# Altium PCB ECU_AutoRC_r00.PcbDoc (part 2 of 2) (continued)
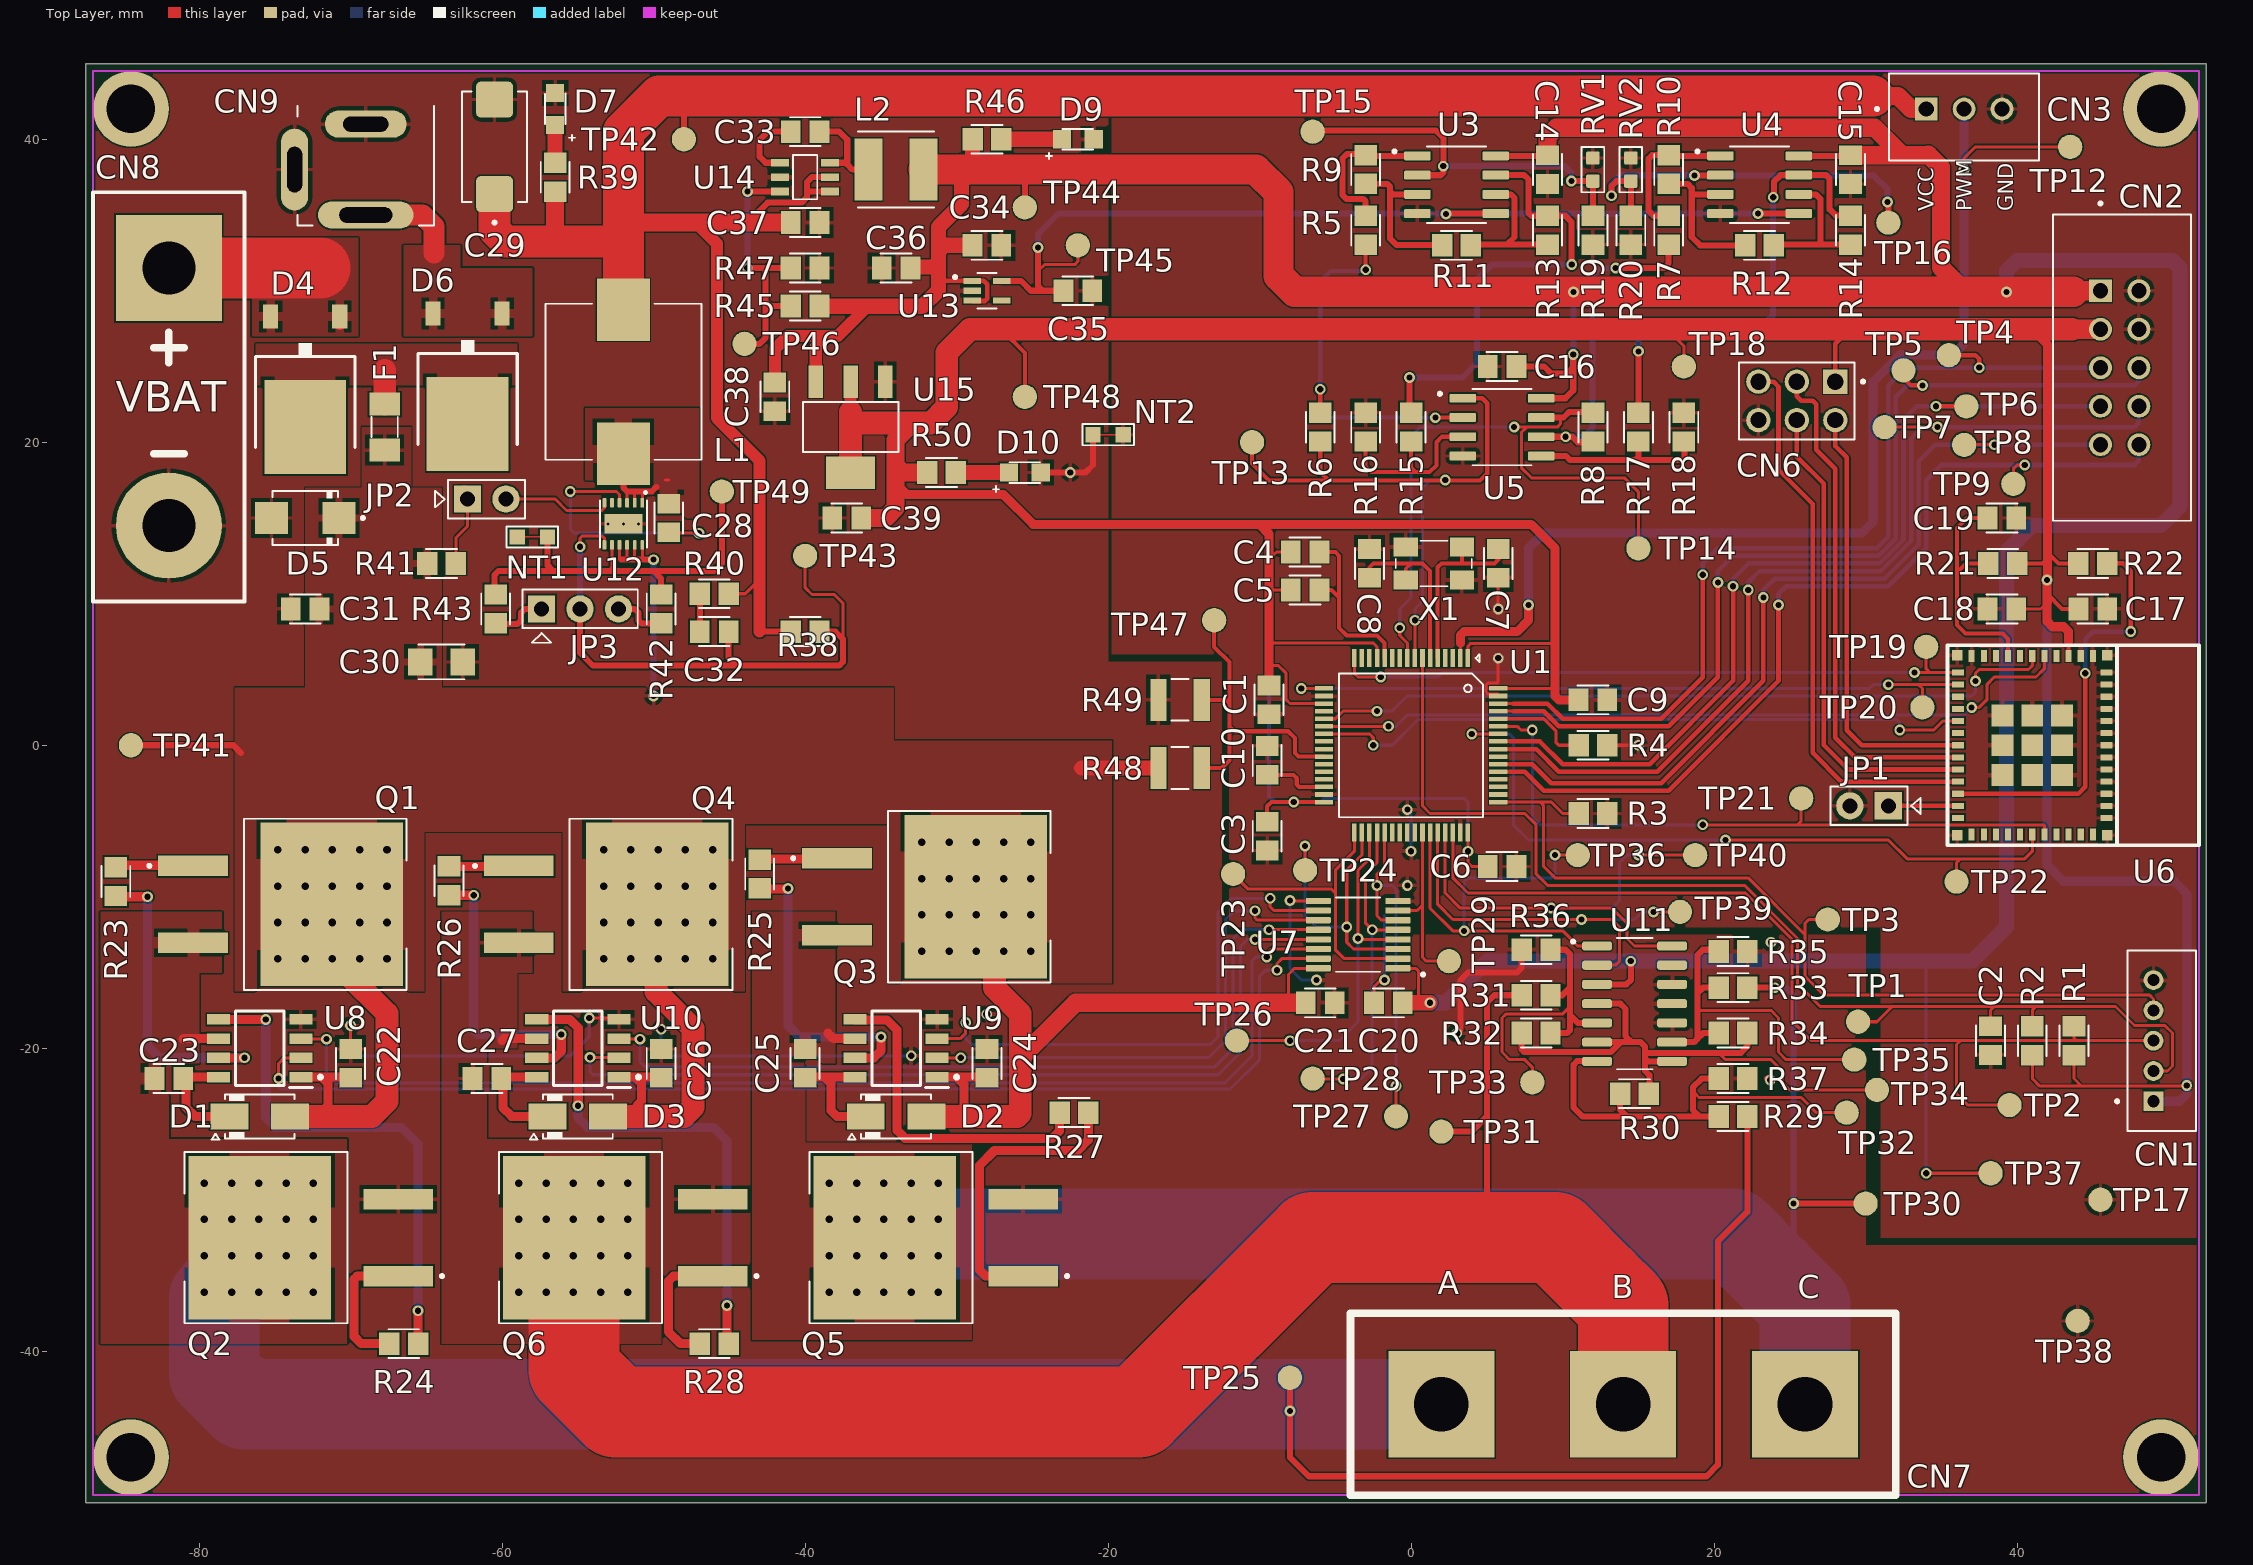
[diagram p0: Top Layer view]
## Nets (pads, with @x,y where several pads share a name; then routed paths per layer and width w, separated by ;. In a path a pad name is that pad's centre, name@x,y a point inside that pad or via, vN(x,y) a via of type N, cw(c..) or ccw(c..) an arc to the next point about the centre after c; other vN are vias at no path point) (continued)
NetR7_1: R7.1 R10.1 U4.1 | length 9.8
  Top Layer w0.4: R7.1@17,34.95 16,34.95 15.675,35.275 15.675,38.725 15.9,38.95 R10.1@17,38.95 17.045,38.905 U4.1@20.415,38.905
NetR7_2: R7.2 R8.1 U5.6 | length 22.3
  Top Layer w0.4: U5.6@8.585,20.365 v1(10.2,20.365) 10.635,20.365 11,20 11.9,20 11.975,20.075 R8.1@12,20.05 ; v1(13.5,31.5) 16.7,31.5 17,31.8 R7.2@17,33.05
  Bottom Layer w0.4: v1(10.2,20.365) 11.39,20.365 11.975,20.95 11.975,30.975 12.5,31.5 v1(13.5,31.5)
NetR8_2: R8.2 TP14.1 U1.9 U5.7 | length 44.3
  Top Layer w0.2: v1(-0.75,7.75) -0.75,7.25 -0.25,6.75 U1.9@-0.25,5.75 ; v1(6.8,21) 7.625,21 ; 9.825,21.635 9.85,21.61 9.85,21.2 9.65,21 7.625,21 ; TP14.1@15,13 15,16.725 14.075,17.65 7.95,17.65 7.275,18.325 7.275,20.65 7.625,21
  Top Layer w0.4: U5.7@8.585,21.635 9.825,21.635 10.06,21.635 10.425,22 11.95,22 R8.2@12,21.95
  Bottom Layer w0.2: v1(-0.75,7.75) -0.75,9 0,9.75 0,20.4 0.6,21 v1(6.8,21)
NetR9_1: R9.1 R11.2 U3.3 | length 10.6
  Top Layer w0.4: R9.1@-3,37.05 -1.57,37.05 -1.39,36.87 -1.39,36.54 ; U3.3@0.415,36.365 -1.215,36.365 -1.39,36.54 ; R11.2@2.05,33 2.025,33.025 -0.975,33.025 -1.39,33.44 -1.39,36.54
NetR10_2: R10.2 R12.1 U4.3 | length 10.6
  Top Layer w0.4: R10.2@17,37.05 18.25,37.05 18.525,36.775 18.525,36.5 ; U4.3@20.415,36.365 18.66,36.365 18.525,36.5 ; R12.1@22.05,33 19.075,33 18.525,33.55 18.525,36.5
NetR11_1: R11.1 R13.2 U3.6 | length 9.7
  Top Layer w0.4: R11.1@3.95,33 4,33.05 6.325,33.05 ; U3.6@5.585,36.365 6.585,36.365 6.825,36.125 6.825,33.55 6.325,33.05 ; R13.2@9,33.05 6.325,33.05
NetR12_2: R12.2 R14.1 U4.6 | length 9.7
  Top Layer w0.4: R12.2@23.95,33 24,33.05 27,33.05 ; U4.6@25.585,36.365 26.71,36.365 27.025,36.05 27.025,33.075 27,33.05 ; R14.1@29,33.05 27,33.05
NetR13_1: R13.1 R15.2 U3.7 | length 29.8
  Top Layer w0.4: v1(-0.1,24.275) -0.1,22.05 R15.2@0,21.95 ; U3.7@5.585,37.635 7.465,37.635 7.75,37.35 7.75,35.125 7.95,34.925 7.975,34.95 R13.1@9,34.95 10.175,34.95 10.575,34.55 10.575,31.75 v1(10.6,31.725)
  Bottom Layer w0.4: v1(-0.1,24.275) 3.375,24.275 4.35,25.25 4.35,30.75 5.325,31.725 v1(10.6,31.725)
NetR14_2: R14.2 R17.1 U4.7 | length 31.1
  Top Layer w0.4: R17.1@15,21.95 15.025,21.975 15,22 v1(15,26) ; v1(23.9,36.175) 23.95,36.225 23.95,37.2 24.385,37.635 U4.7@25.585,37.635 27.39,37.635 27.625,37.4 27.625,35.375 28.025,34.975 28.975,34.975 R14.2@29,34.95 R14.2@28.975,34.925
  Bottom Layer w0.4: v1(15,26) 15,27.25 15.725,27.975 23.475,27.975 23.9,28.4 v1(23.9,36.175)
NetR15_1: R15.1 R16.2 U5.3 | length 12.2
  Top Layer w0.27: R16.2@-3,20.05 -3,18.4 -2.625,18.025 0.3,18.025 ; R15.1@0,20.05 0,18.325 0.3,18.025 ; U5.3@3.415,20.365 2.04,20.365 1.675,20 1.675,18.475 1.225,18.025 0.3,18.025
NetR17_2: R17.2 R18.1 U5.5 | length 12
  Top Layer w0.4: U5.5@8.585,19.095 10.23,19.095 10.5,18.825 14.8,18.825 ; R17.2@15,20.05 15,19.025 14.8,18.825 ; R18.1@18,20.05 18.05,20 18.05,19.025 17.85,18.825 14.8,18.825
NetR22_2: R22.2 U6.22 | length 27.3
  Top Layer w0.3: U6.22@36.1,-3.2 44.05,-3.2 44.5,-2.75 v1(44.5,4.75) ; R22.2@45.95,12 47,12 47.5,11.5 v1(47.5,7.5)
  Bottom Layer w0.3: v1(44.5,4.75) 44.5,7 45,7.5 v1(47.5,7.5)
NetR23_1: R23.1 U8.7 | length 20.4
  Top Layer w0.6: R23.1@-85.5,-9.95 -85.45,-10 v1(-83.4,-10) ; U8.7@-78.712,-20.635 -77.01,-20.635 v1(-77,-20.625)
  Bottom Layer w0.6: v1(-83.4,-10) -83.4,-19.825 -82.6,-20.625 v1(-77,-20.625)
NetR24_1: R24.1 U8.5 | length 33.7
  Top Layer w0.6: U8.5@-78.712,-18.095 -75.605,-18.095 v1(-75.6,-18.1) ; v1(-65.55,-37.325) R24.1@-65.55,-39.5 R24.1@-65.425,-39.375
  Bottom Layer w0.6: v1(-75.6,-18.1) -75.6,-24.575 -74.95,-25.225 -66.65,-25.225 -65.55,-26.325 v1(-65.55,-37.325)
NetR25_1: R25.1 U9.7 | length 20.3
  Top Layer w0.6: R25.1@-43,-9.45 -43,-9.5 -41.175,-9.5 v1(-41.125,-9.45) ; U9.7@-36.712,-20.635 -35.458,-20.635 -34.991,-20.168 -35,-20.159 v1(-35,-19.25)
  Bottom Layer w0.6: v1(-41.125,-9.45) -41.125,-18.5 -40.375,-19.25 v1(-35,-19.25)
NetR26_1: R26.1 U10.7 | length 19.4
  Top Layer w0.6: R26.1@-63.86,-9.9 R26.1@-63.81,-9.95 ; R26.1@-63.5,-9.9 v1(-61.875,-9.9) ; U10.7@-57.712,-20.635 -56.535,-20.635 -56.1,-20.2 v1(-56.1,-19.1)
  Bottom Layer w0.6: v1(-61.875,-9.9) -61.9,-9.925 -61.9,-18.8 -61.6,-19.1 v1(-56.1,-19.1)
NetR27_1: R27.1 U9.5 | length 22.1
  Top Layer w0.6: U9.5@-36.712,-18.095 -36.682,-18.125 -34.6,-18.125 -33.925,-18.8 -33.925,-25.425 -33.4,-25.95 -23.7,-25.95 -23.2,-25.45 R27.1@-23.2,-24.25
NetR28_1: R28.1 U10.5 | length 32.8
  Top Layer w0.6: U10.5@-57.712,-18.095 -57.707,-18.1 -55.525,-18.1 -54.975,-18.65 -54.975,-23.775 v1(-55,-23.8) ; v1(-45.15,-36.975) -45.15,-39.4 R28.1@-45.05,-39.5 R28.1@-45.025,-39.475
  Bottom Layer w0.6: v1(-55,-23.8) -55,-24.575 -54.35,-25.225 -46.05,-25.225 -45.15,-26.125 v1(-45.15,-36.975)
NetR45_1: R45.1 R47.1 TP46.1 U14.3 | length 18.1
  Top Layer w0.4: TP46.1@-44,26.5 -43,26.5 -42.625,26.875 -42.625,29.325 ; v1(-43.825,31.5) -42.675,31.5 ; v1(-43.8,36.55) U14.3@-41.65,36.55 ; R45.1@-40.95,29 -42.3,29 -42.625,29.325 ; R47.1@-40.95,31.5 -42.675,31.5 ; -42.675,31.5 -42.625,31.45 -42.625,29.325
  Bottom Layer w0.4: v1(-43.825,31.5) -43.8,31.525 v1(-43.8,36.55)
NetR48_2: R48.2 R49.1 TP47.1 U1.26 | length 21.3
  Top Layer w0.27: R48.2@-13.82,-1.5 -12.5,-1.5 -12,-1 -12,1.25 ; R49.1@-13.82,3 -12.25,3 -12,2.75 ; TP47.1@-13,8.25 -13,6.5 -12,5.5 -12,2.75 ; U1.26@-5.75,-0.75 -7.425,-0.75 -7.675,-0.5 -7.675,0.475 -8.125,0.925 -11.675,0.925 -12,1.25 ; -12,1.25 -12,2.75
NetTP23_1: TP23.1 U1.33 U7.2 | length 19.9
  Top Layer w0.2: TP23.1@-11.75,-8.5 -10.75,-9.5 -5.25,-9.5 -5,-9.75 ; U1.33@-3.75,-5.75 -3.75,-7 -5,-8.25 -5,-9.75 ; U7.2@-0.87,-14.088 -4.413,-14.088 -5,-13.5 -5,-9.75
NetTP24_1: TP24.1 U1.34 U7.3 | length 20.5
  Top Layer w0.2: TP24.1@-7,-8.25 v1(-7,-6.65) ; U1.34@-3.25,-5.75 -3.25,-7.25 -4.25,-8.25 v1(-4.25,-12) -4.25,-13 -3.797,-13.453 U7.3@-0.87,-13.453
  Bottom Layer w0.2: v1(-7,-6.65) -7,-11.25 -6.25,-12 v1(-4.25,-12)
NetTP26_1: TP26.1 U1.35 U7.4 | length 24
  Top Layer w0.2: TP26.1@-11.5,-19.5 v1(-8,-19.5) ; U1.35@-2.75,-5.75 -2.75,-7 -2.75,-7.5 -3.5,-8.25 v1(-3.5,-12.75) -3.433,-12.818 U7.4@-0.87,-12.818
  Bottom Layer w0.2: v1(-8,-19.5) -4.75,-19.5 -3.5,-18.25 v1(-3.5,-12.75)
NetTP27_1: TP27.1 U1.37 U7.6 | length 23.6
  Top Layer w0.2: U1.37@-1.75,-5.75 -1.75,-7.75 -1.75,-8 -2.25,-8.5 v1(-2.25,-9.25) -2.25,-11.25 -1.953,-11.548 U7.6@-0.87,-11.548 ; TP27.1@-1,-24.5 v1(-1,-22.5)
  Bottom Layer w0.2: v1(-2.25,-9.25) -1.25,-9.25 -1,-9.5 v1(-1,-22.5)
NetTP28_1: TP28.1 U1.36 U7.5 | length 22
  Top Layer w0.2: TP28.1@-6.5,-22 -6.475,-22.025 v1(-4.475,-22.025) ; U1.36@-2.25,-5.75 -2.25,-7.75 -3,-8.5 -3,-11.75 v1(-2.567,-12.183) U7.5@-0.87,-12.183 U7.5@-0.863,-12.175
  Bottom Layer w0.2: v1(-4.475,-22.025) -4.425,-21.975 -3.25,-21.975 -2.567,-21.292 v1(-2.567,-12.183)
NetTP29_1: TP29.1 U1.42 U7.7 | length 11.9
  Top Layer w0.2: U7.7@-0.87,-10.913 0.396,-10.913 0.75,-10.559 ; U1.42@0.75,-5.75 0.75,-10.559 ; TP29.1@2.5,-14.25 1,-14.25 0.75,-14 0.75,-10.559
NetTP36_1: TP36.1 U1.43 U11.1 | length 29.3
  Top Layer w0.2: U1.43@1.25,-5.75 1.25,-10.75 2.75,-12.25 v1(3.5,-12.25) 10,-12.25 10.999,-13.249 U11.1@12.275,-13.249 ; v1(9.5,-7.25) TP36.1@11,-7.25
  Bottom Layer w0.2: v1(3.5,-12.25) 3.5,-9 3.75,-8.75 9.25,-8.75 9.5,-8.5 v1(9.5,-7.25)
NetTP39_1: TP39.1 U1.44 U11.2 | length 27.9
  Top Layer w0.2: U1.44@1.75,-5.75 1.75,-10.5 2.75,-11.5 v1(11.25,-11.5) 13.25,-11.5 13.75,-12 13.75,-14.25 13.481,-14.519 U11.2@12.275,-14.519 ; v1(16,-11) TP39.1@17.75,-11
  Bottom Layer w0.2: v1(11.25,-11.5) 14.75,-11.5 15.25,-11 v1(16,-11)
NetTP40_1: TP40.1 U1.45 U11.14 | length 33.4
  Top Layer w0.2: U1.45@2.25,-5.75 2.25,-9.75 3.25,-10.75 v1(9.25,-10.75) 13.25,-10.75 14.25,-11.75 14.25,-12.75 14.75,-13.25 15.5,-13.25 15.501,-13.249 U11.14@17.225,-13.249 ; v1(15,-7.25) TP40.1@18.75,-7.25
  Bottom Layer w0.2: v1(9.25,-10.75) 13.25,-10.75 13.75,-10.25 13.75,-7.75 14.25,-7.25 v1(15,-7.25)
NEUTRO: R30.2 R32.1 R34.1 TP34.1 U11.4 U11.6 U11.8 | length 40.3
  Top Layer w0.2: 20.5,-20.3 20.5,-20.5 20.75,-20.75 23.75,-20.75 24.5,-21.5 24.5,-22.25 25,-22.75 TP34.1@30.75,-22.75
  Top Layer w0.4: R32.1@7.3,-19 7.3,-20.075 7.475,-20.25 13.174,-20.25 13.825,-19.599 ; U11.6@12.275,-19.599 13.825,-19.599 ; U11.4@12.275,-17.059 13.809,-17.059 14.15,-17.4 14.15,-19.199 14.55,-19.599 ; R30.2@15.7,-23 15.725,-22.975 15.725,-21.775 15.45,-21.5 15.45,-20.7 ; U11.8@17.225,-20.869 15.619,-20.869 15.45,-20.7 ; R34.1@22.2,-19 22.2,-19.875 21.775,-20.3 20.5,-20.3 15.45,-20.3 ; 13.825,-19.599 14.55,-19.599 ; 14.55,-19.599 15.149,-19.599 15.45,-19.9 15.45,-20.3 ; 15.45,-20.7 15.45,-20.3
NRST: C2.1 CN1.2 R2.1 TP1.1 U1.7 | length 78.2
  Top Layer w0.2: U1.7@0.75,5.75 0.75,1.25 0.75,-4 1.25,-4.5 7.5,-4.5 8.25,-5.25 8.25,-8.5 9,-9.25 22,-9.25 25.5,-12.75 25.5,-15.75 27,-17.25 31.75,-17.25 ; TP1.1@29.5,-18.25 30.75,-18.25 31.75,-17.25 ; C2.1@38.25,-18.55 38.25,-17.5 38.5,-17.25 ; R2.1@41,-18.55 41,-17.5 41.25,-17.25 ; CN1.2@49,-21.5 49.925,-21.5 50.25,-21.175 50.25,-19 49.75,-18.5 47.75,-18.5 46.5,-17.25 41.25,-17.25 ; 31.75,-17.25 38.5,-17.25 ; 38.5,-17.25 41.25,-17.25
PA_H: U7.15 U8.2 | length 78.9
  Top Layer w0.2: v1(-74.75,-22) -74.75,-21 -74.385,-20.635 U8.2@-73.288,-20.635 ; v1(-8.85,-14.85) -8.85,-14.4 -8.538,-14.088 U7.15@-6.13,-14.088
  Bottom Layer w0.2: v1(-74.75,-22) -74.8,-22.05 -74.8,-22.5 -74.6,-22.7 -11.95,-22.7 -10,-20.75 -10,-15.25 -9.6,-14.85 v1(-8.85,-14.85)
PA_L: U7.14 U8.3 | length 77.2
  Top Layer w0.2: U8.3@-73.288,-19.365 -73.253,-19.4 v1(-71.6,-19.4) ; v1(-9.525,-13.975) -9.525,-13.8 -9.55,-13.775 -9.228,-13.453 U7.14@-6.13,-13.453
  Bottom Layer w0.2: v1(-71.6,-19.4) -71.6,-21.7 -71,-22.3 -69.5,-22.3 -25.1,-22.3 -12.3,-22.3 -10.5,-20.5 -10.5,-14.25 -10.225,-13.975 v1(-9.525,-13.975)
PB_H: U7.13 U10.2 | length 58.8
  Top Layer w0.2: v1(-54.2,-20.6) -52.323,-20.6 U10.2@-52.288,-20.635 ; v1(-10.3,-12.825) -6.138,-12.825 U7.13@-6.13,-12.818
  Bottom Layer w0.2: v1(-54.2,-20.6) -54.2,-21.55 -54,-21.75 -12.75,-21.75 -11.25,-20.25 -11.25,-13.25 -10.825,-12.825 v1(-10.3,-12.825)
PB_L: U7.12 U10.3 | length 55.8
  Top Layer w0.2: U10.3@-52.288,-19.365 -52.253,-19.4 v1(-50.9,-19.4) ; v1(-9.375,-12.175) -6.138,-12.175 U7.12@-6.13,-12.183
  Bottom Layer w0.2: v1(-50.9,-19.4) -50.9,-20.9 -50.55,-21.25 -13,-21.25 -11.75,-20 -11.75,-12.75 -11.175,-12.175 v1(-9.375,-12.175)
PC_H: U7.11 U9.2 | length 34.5
  Top Layer w0.2: U9.2@-31.288,-20.635 -29.735,-20.635 v1(-29.725,-20.625) ; v1(-10.3,-10.925) -10.3,-11.4 -10.152,-11.548 U7.11@-6.13,-11.548 U7.11@-6.182,-11.6
  Bottom Layer w0.2: v1(-29.725,-20.625) -13.375,-20.625 -12.25,-19.5 -12.25,-11.5 -11.675,-10.925 v1(-10.3,-10.925)
PC_L: U7.10 U9.3 | length 36.7
  Top Layer w0.2: U9.3@-31.288,-19.365 -29.765,-19.365 -29.4,-19 v1(-29.4,-18.3) ; v1(-9.3,-10.1) -9.3,-10.675 -9.062,-10.913 U7.10@-6.13,-10.913
  Bottom Layer w0.2: v1(-29.4,-18.3) -29.4,-19.35 -29,-19.75 -13.25,-19.75 -12.75,-19.25 -12.75,-11 -11.85,-10.1 v1(-9.3,-10.1)
PGND: C21.1 C22.1 C24.1 C26.1 C29.2 C30.1 C31.1 C34.2 C35.2 C36.2 C37.2 C38.2 C39.2 CN8.2 CN9.2 CN9.3 D5.1 D7.2 D9.2 D10.2 NT1.1 NT2.1 Q2.3 Q5.3 Q6.3 R35.1 R36.1 R37.1 R47.2 R49.2 TP38.1 U7.9 U8.4 U9.4 U10.4 U11.10 U11.11 U11.12 U12.13 U13.2 U14.2 U15.1 | length 64.4
  Top Layer w0.2: C22.1@-70,-20.05 v1(-70,-18.5) ; v1(-54.25,-18) -52.383,-18 U10.4@-52.288,-18.095 ; v1@-7.972,-10.278 U7.9@-6.13,-10.278
  Top Layer w0.4: D10.2@-24.45,18 v1(-22.5,18) -21.5,18 -21,18.5 NT2.1@-21,20.5 ; v1(-8,-10.25) v1@-7.972,-10.278 ; v2(3,-19) 3.25,-18.75 3.25,-15.5 3.75,-15 7,-15 7.3,-14.7 R36.1@7.3,-13.5 ; v1@23.5,-22 23.6,-22.1 v1(23.7,-22.1)
  Bottom Layer w0.2: v1(-70,-18.5) -70,-20 -69.5,-20.5 -55.5,-20.5 -54.25,-19.25 v1(-54.25,-18) ; v1(-49.5,-18.75) -49.5,-20.25 -49.25,-20.5 v1(-33,-20.5) ; v1(-8,-10.25) -8,-14.75 -7.25,-15.5 v1(-6.25,-15.5)
  other v1: 23.75,-13
  other v2: -28,-17.75
  other v3: -53,14.613 -52,14.613 -51,14.613
PH_A: C23.2 CN7.1 Q1.3 Q2.2 R29.1 TP25.1 U8.6 | length 148.8
  Top Layer w0.4: TP25.1@-8,-41.75 v1(-8,-43.948) -8,-47 -6.75,-48.25 19.5,-48.25 20.25,-47.5 20.25,-32.75 22.2,-30.8 R29.1@22.2,-24.5
  Top Layer w0.6: -81.05,-19.4 -81.015,-19.365 U8.6@-78.712,-19.365
  Bottom Layer w6: -78.5,-36 -79,-36.5 -79,-41.5 -77,-43.5 CN7.1@2,-43.5 ; v2(-76.06,-33.7) -75.5,-34.26
  other v2: -79.66,-36.1 -77.86,-36.1 -76.06,-36.1 -74.26,-36.1 -72.46,-36.1 -79.66,-33.7 -77.86,-33.7 -74.26,-33.7 -72.46,-33.7 -79.66,-31.3 -77.86,-31.3 -76.06,-31.3 -74.26,-31.3 -72.46,-31.3 -79.66,-28.9 -77.86,-28.9 -76.06,-28.9 -74.26,-28.9 -72.46,-28.9
PH_B: C27.2 CN7.2 Q4.3 Q6.2 R31.2 TP31.1 U10.6 | length 116.4
  Top Layer w0.4: TP31.1@2,-25.5 4,-25.5 5,-24.5 ; 5,-32.5 5,-24.5 ; R31.2@7.3,-16.5 5.5,-16.5 5,-17 5,-24.5
  Top Layer w0.6: -60,-19.5 -59.865,-19.365 U10.6@-57.712,-19.365
  Top Layer w6: Q6.2@-55.5,-32.75 Q6.2@-55.25,-32.5 -55.25,-41.25 -52.5,-44 -18,-44 -6.5,-32.5 5,-32.5 9.5,-32.5 12.5,-35.5 14,-37 CN7.2@14,-43.5
  other v2: -58.9,-36.1 -57.1,-36.1 -55.3,-36.1 -53.5,-36.1 -51.7,-36.1 -58.9,-33.7 -57.1,-33.7 -55.3,-33.7 -53.5,-33.7 -51.7,-33.7 -58.9,-31.3 -57.1,-31.3 -55.3,-31.3 -53.5,-31.3 -51.7,-31.3 -58.9,-28.9 -57.1,-28.9 -55.3,-28.9 -53.5,-28.9 -51.7,-28.9
PH_C: C25.2 CN7.3 Q3.3 Q5.2 R33.2 TP30.1 U9.6 | length 96.6
  Top Layer w0.4: R33.2@22.2,-16 v1(24,-16) ; v1(25.25,-30.25) TP30.1@30,-30.25
  Top Layer w0.6: -38.5,-19 -38.135,-19.365 U9.6@-36.712,-19.365
  Bottom Layer w0.4: 21.25,-32.25 23.25,-32.25 ; 23.875,-34.875 25.25,-33.5 v1(25.25,-30.25) 25.25,-16.5 24.75,-16 v1(24,-16)
  Bottom Layer w6: -31.2,-32.25 21.25,-32.25 23.875,-34.875 26,-37 CN7.3@26,-43.5
  other v2: -38.4,-36.1 -36.6,-36.1 -34.8,-36.1 -33,-36.1 -31.2,-36.1 -38.4,-33.7 -36.6,-33.7 -34.8,-33.7 -33,-33.7 -31.2,-33.7 -38.4,-31.3 -36.6,-31.3 -34.8,-31.3 -33,-31.3 -31.2,-31.3 -38.4,-28.9 -36.6,-28.9 -34.8,-28.9 -33,-28.9 -31.2,-28.9
RXD0: TP22.1 U1.58 U6.30 | length 48.4
  Top Layer w0.2: v1(4,0.75) U1.58@5.75,0.75 ; v1(20.75,-6.25) 31.5,-6.25 32.75,-7.5 36.25,-7.5 ; TP22.1@36,-9 36,-7.75 36.25,-7.5 ; U6.30@41,-5.9 41,-7 40.5,-7.5 36.25,-7.5
  Bottom Layer w0.2: v1(4,0.75) 6.5,0.75 6.75,0.5 6.75,-5.25 7.75,-6.25 v1(20.75,-6.25)
SERVO: CN3.2 TP12.1 U1.2 | length 74.5
  Top Layer w0.2: U1.2@3.25,5.75 3.25,6.75 ; v1(36.5,38) 36.5,38.75 37.25,39.5 TP12.1@43.5,39.5
  Top Layer w0.6: 3.25,6.75 3.25,7.25 3.5,7.5 7,7.5 7.75,8.25 v1(7.75,9.25)
  Bottom Layer w0.6: v1(7.75,9.25) 7.75,13 8.75,14 29.75,14 30.5,14.75 30.5,24 32.25,25.75 35.75,25.75 36.5,26.5 v1(36.5,38) CN3.2@36.5,42
SWDIO: CN1.3 R1.1 TP2.1 U1.46 | length 65.3
  Top Layer w0.2: U1.46@2.75,-5.75 2.75,-8.75 3.75,-9.75 22.073,-9.75 25.15,-12.827 25.15,-18.225 26.425,-19.5 36.25,-19.5 ; TP2.1@39.5,-23.75 36.75,-23.75 36,-23 36,-19.75 36.25,-19.5 ; R1.1@43.75,-18.55 43.75,-19.325 43.925,-19.5 ; CN1.3@49,-19.5 43.925,-19.5 ; 36.25,-19.5 43.925,-19.5
SWLCLK: CN1.4 R3.2 TP3.1 U1.49 | length 58.6
  Top Layer w0.2: U1.49@5.75,-3.75 8.5,-3.75 ; R3.2@11.05,-4.5 10,-4.5 9.25,-3.75 8.5,-3.75 ; TP3.1@27.5,-11.5 26.25,-11.5 26,-11.75 26,-12.5 ; CN1.4@49,-17.5 49,-16.75 48.75,-16.5 28.5,-16.5 27.25,-16.5 26,-15.25 26,-12.5 ; 8.5,-3.75 8.75,-4 8.75,-8 9.5,-8.75 22.25,-8.75 26,-12.5
TCK: CN6.4 U6.20 | length 31.7
  Top Layer w0.3: CN6.4@25.46,21.46 25.46,19.04 27.25,17.25 27.25,0 28.85,-1.6 U6.20@36.1,-1.6
TDI: CN6.3 U6.19 | length 33.6
  Top Layer w0.3: CN6.3@25.46,24 25.46,23.04 25.75,22.75 26.5,22.75 26.75,22.5 26.75,19.5 28,18.25 28,0.5 29.3,-0.8 U6.19@36.1,-0.8
TDO: CN6.5 U6.21 | length 37
  Top Layer w0.3: CN6.5@22.92,24 23.925,24 24.25,23.675 24.25,18.175 26.5,15.925 26.5,-0.5 28.4,-2.4 U6.21@36.1,-2.4
TMS: CN6.2 U6.18 | length 28.5
  Top Layer w0.3: CN6.2@28,21.46 28,19.75 28.75,19 28.75,1 29.75,0 U6.18@36.1,0
TXD0: TP21.1 U1.59 U6.31 | length 44.6
  Top Layer w0.2: U1.59@5.75,1.25 7,1.25 7.25,1 v1(8,1) ; v1(19.25,-5.25) 25.5,-5.25 ; TP21.1@25.75,-3.5 25.75,-5 25.5,-5.25 ; U6.31@41.8,-5.9 41.8,-5.3 41.75,-5.25 25.5,-5.25
  Bottom Layer w0.2: v1(8,1) 8,-4.75 8.5,-5.25 v1(19.25,-5.25)
VCC: C21.2 C22.2 C24.2 C26.2 C30.2 C31.2 D1.1 D2.1 D3.1 D5.2 F1.2 Q1.2 Q3.2 Q4.2 R41.2 R48.1 TP41.1 U7.16 U8.1 U9.1 U10.1 U12.9 U12.10 U12.11 U12.12 | length 127.8
  Top Layer w0.2: -52.25,12.25 U12.9@-52.25,13.223 ; -51.75,12.25 U12.10@-51.75,13.223 ; -51.25,12.25 U12.11@-51.25,13.223 ; -50.75,12.25 U12.12@-50.75,13.223 ; -8.1,-16.575 -8.1,-15.125 -7.698,-14.723 U7.16@-6.13,-14.723
  Top Layer w0.4: TP41.1@-84.5,0 -77.75,0 -77.25,-0.5 ; -52.15,12.25 -51.75,12.25 -51.25,12.25 -50.75,12.25 v1(-50,12.25)
  Top Layer w0.6: U8.1@-73.288,-21.905 -71.9,-21.905 ; -72.2,-24.5 -71.5,-23.8 -71.5,-22.305 -71.9,-21.905 ; C22.2@-70,-21.95 -70.045,-21.905 -71.9,-21.905 ; U10.1@-52.288,-21.905 -51.2,-21.905 ; -51.1,-24.5 -51.1,-23.8 -50.8,-23.5 -50.8,-22.305 -51.2,-21.905 ; C26.2@-49.5,-21.95 -49.545,-21.905 -51.2,-21.905 ; U9.1@-31.288,-21.905 -30,-21.905 ; -29.5,-24.5 -29.5,-22.405 -30,-21.905 ; C24.2@-28,-21.95 -28.045,-21.905 -30,-21.905
  Top Layer w1: -21.75,-1.5 R48.1@-16.68,-1.5
  Top Layer w1.2: -25.8,-20.65 -22.15,-17 C21.2@-6.95,-17
  Top Layer w1.5: D1.1@-74,-24.5 -72.2,-24.5 -68.6,-24.5 -67.6,-23.5 -67.6,-17.7 Q1.2@-70.35,-14.95 ; D3.1@-53,-24.5 -51.1,-24.5 -48,-24.5 -47.4,-23.9 -47.4,-18.7 -49.85,-16.25 Q4.2@-49.85,-10.46 ; Q4.2@-49.28,-11.03 Q4.2@-46.7,-13.61 ; D2.1@-32,-24.5 -29.5,-24.5 -26,-24.5 -25.8,-24.3 -25.8,-20.65 -25.8,-17.7 -27.5,-16 Q3.2@-27.5,-13.64
  Bottom Layer w0.4: v1(-50,3.25) v1(-50,12.25)
  other v2: -74.8,-14.1 -73,-14.1 -71.2,-14.1 -69.4,-14.1 -67.6,-14.1 -53.3,-14.1 -51.5,-14.1 -49.7,-14.1 -47.9,-14.1 -46.1,-14.1 -32.3,-13.6 -30.5,-13.6 -28.7,-13.6 -26.9,-13.6 -25.1,-13.6 -74.8,-11.7 -73,-11.7 -71.2,-11.7 -69.4,-11.7 -67.6,-11.7 -53.3,-11.7 -51.5,-11.7 -49.7,-11.7 -47.9,-11.7 -46.1,-11.7 -32.3,-11.2 -30.5,-11.2 -28.7,-11.2 -26.9,-11.2 -25.1,-11.2 -74.8,-9.3 -73,-9.3 -71.2,-9.3 -69.4,-9.3 -67.6,-9.3 -53.3,-9.3 -51.5,-9.3 -49.7,-9.3 -47.9,-9.3 -46.1,-9.3 -32.3,-8.8 -30.5,-8.8 -28.7,-8.8 -26.9,-8.8 -25.1,-8.8 -74.8,-6.9 -73,-6.9 -71.2,-6.9 -69.4,-6.9 -67.6,-6.9 -53.3,-6.9 -51.5,-6.9 -49.7,-6.9 -47.9,-6.9 -46.1,-6.9 -32.3,-6.4 -30.5,-6.4 -28.7,-6.4 -26.9,-6.4 -25.1,-6.4
pads on no net: U1.3 U1.4 U1.10 U1.11 U1.14 U1.15 U1.20 U1.24 U1.25 U1.27 U1.28 U1.29 U1.38 U1.39 U1.40 U1.41 U1.50 U1.51 U1.52 U1.55 U6.4 U6.7 U6.9 U6.10 U6.14 U6.15 U6.17 U6.24 U6.25 U6.26 U6.27 U6.28 U6.29 U6.32 U6.33 U6.34 U6.35 U11.13 U12.5 U13.4

## Polygon pours and split planes (outlines as drawn)
PGND on Top Layer "PGND_L01_P029" (solid, pour order 29): -87,44.5 -87,-49.5 52,-49.5 52,-33 30,-33 30,-12.5 -4.25,-12.5 -12.5,-12.5 -12.5,5.5 -20,5.5 -20,44.5
PH_A on Top Layer "PH_A_p2" (solid, pour order 8): -86.5,-24 -86.5,-39.5 -70.25,-39.5 -70.25,-26 -82,-26 -82,-24
GND on Top Layer "GND_L01_P030" (solid, pour order 30): -19.75,44.5 -19.75,6 -12,6 -12,-12 -3.5,-12 31,-12 31,-32.5 52,-32.5 52,44.5
VCC on Top Layer "VCC_p2" (solid, pour order 5): -77.65,3.806 -77.65,-16.25 -65.15,-16.25 -65.15,-5.694 -56,-5.694 -56,-16.25 -44,-16.25 -44,-5.194 -34.5,-5.194 -34.5,-15.694 -19.75,-15.694 -19.75,0.306 -34.15,0.306 -34.15,3.806
VCC on Top Layer "VCC_P1" (solid, pour order 3): -69.25,21 -69.25,17 -73,17 -73,3 -64,3 -64,17 -66,17 -66,21
NetD4_2 on Top Layer "NETD4_2_L01_P025" (solid, pour order 25): -76.25,23.75 -76.25,26.5 -59,26.5 -59,23.75 -67.75,23.75 -67.75,24 -67.75,23.75
NetCN9_1 on Top Layer "NETCN9_1_L01_P023" (solid, pour order 23): -66.5,27 -58,27 -58,31.5 -62.75,31.5 -62.75,33 -66.5,33
NetCN8_1 on Top Layer "NETCN8_1_L01_P022" (solid, pour order 22): -76.5,33.5 -76.5,27 -69.5,27 -69.5,33.5
NetC28_2 on Top Layer "NETC28_2_L01_P017" (solid, pour order 17): -54.5,22.25 -54.5,17.5 -50,17.5 -50,15 -47.25,15 -47,15.25 -47,22.25
PH_B on Top Layer "PH_B_p1" (solid, pour order 9): -58,-11 -64,-11 -64,-25 -61,-25 -61,-20 -59,-20 -59,-15 -58,-15
PH_B on Top Layer "PH_B_p2" (solid, pour order 10): -64,-24 -64,-39.5 -49.5,-39.5 -49.5,-26 -61,-26 -61,-24
PH_C on Top Layer "PH_C_p2" (solid, pour order 12): -43.5,-24.25 -43.5,-39.25 -29,-39.25 -29,-26.25 -40,-26.25 -40,-24.25
PH_C on Top Layer "PH_C_p1" (solid, pour order 11): -43.5,-11 -43.5,-25 -40,-25 -40,-21 -38,-21 -38,-11
PH_A on Top Layer "PH_A_p1" (solid, pour order 7): -78.5,-11 -86.5,-11 -86.5,-24.5 -82,-24.5 -82,-21 -80,-21 -80,-15 -78.5,-15
GND on Bottom Layer "GND_L02_P033" (solid, pour order 33): -19.75,44.5 -19.75,6 -12,6 -12,-8.5 -4,-8.5 -3.5,-9 -3.5,-12.25 30.5,-12.25 30.5,-32.5 52,-32.5 52,44.5
PGND on Bottom Layer "PGND_L02_P032" (solid, pour order 32): -87,44.5 -87,-49.5 52,-49.5 52,-33 30,-33 30,-12.5 -4,-12.5 -4,-9 -12.5,-9 -12.5,5 -13,5.5 -20,5.5 -20,44.5
PH_C on Bottom Layer "PH_C_BL" (solid, pour order 15): -43.25,-26.5 -43.25,-39.5 -28.75,-39.5 -28.75,-26.5
PH_A on Bottom Layer "PH_A_BL" (solid, pour order 14): -86.541,-26.193 -86.541,-39.693 -70.291,-39.693 -70.291,-26.193
PH_B on Bottom Layer "PH_B_BL" (solid, pour order 13): -64,-26 -64,-39.5 -49.5,-39.5 -49.5,-26

## Keep-outs
Keep-Out Layer:
  lines w0.127: -87,-49.5 52,-49.5 52,44.5 -87,44.5 -87,-49.5

## Silkscreen, mask and mechanical layers (free items; w line width, h text height)
Top Overlay:
  text "VCC" at 34.496,35.254 h1 r90
  text "PWM" at 36.996,35.254 h1 r90
  text "GND" at 39.746,35.254 h1 r90
  text "A" at 1.754,-36.246 h1.52
  text "B" at 13.254,-36.496 h1.52
  text "C" at 25.504,-36.496 h1.52
Mechanical 1:
  the board outline again, w0.127
Grilla:
  lines w0.127: -88,-54 54,-54 ; -88,-51 54,-51 ; -88,-48 54,-48 ; -88,-45 54,-45 ; -88,-42 54,-42 ; -88,-39 54,-39 ; -88,-36 54,-36 ; -88,-33 54,-33 ; -88,-30 54,-30 ; -88,-27 54,-27 ; -88,-24 54,-24 ; -88,-21 54,-21 ; -88,-18 54,-18 ; -88,-15 54,-15 ; -88,-12 54,-12 ; -88,-9 54,-9 ; -88,-6 54,-6 ; -88,-3 54,-3 ; -88,0 54,0 ; -88,3 54,3 ; -88,6 54,6 ; -88,9 54,9 ; -88,12 54,12 ; -88,15 54,15 ; -88,18 54,18 ; -88,21 54,21 ; -88,24 54,24 ; -88,27 54,27 ; -88,30 54,30 ; -88,33 54,33 ; -88,36 54,36 ; -88,39 54,39 ; -88,42 54,42 ; -84.5,-55.5 -84.5,45 ; -78,-55.5 -78,45 ; -72,-55.5 -72,45 ; -66,-55.5 -66,45 ; -60,-55.5 -60,45 ; -54,-55.5 -54,45 ; -48,-55.5 -48,45 ; -42,-55.5 -42,45 ; -36,-55.5 -36,45 ; -30,-55.5 -30,45 ; -24,-55.5 -24,45 ; -18,-55.5 -18,45 ; -12,-55.5 -12,45 ; -6,-55.5 -6,45 ; 0,-55.5 0,45 ; 6,-55.5 6,45 ; 12,-55.5 12,45 ; 18,-55.5 18,45 ; 24,-55.5 24,45 ; 30,-55.5 30,45 ; 36,-55.5 36,45 ; 42,-55.5 42,45 ; 48,-55.5 48,45

## Dimensions
52.5,-50 to 52.5,45 on Cotas
-87.5,-50 to 52.5,-50 on Cotas

## Text inside footprints (layer, text, board x,y; h text height)
CN8: Top Overlay "VBAT" at -85.5,22 h2
U6: Mechanical 15 "Antenna Area" at 49.115,4.1 h1.52 r270